# Altium PCB LimeSDR-X3_1v1.PcbDoc (part 6 of 25) (continued)
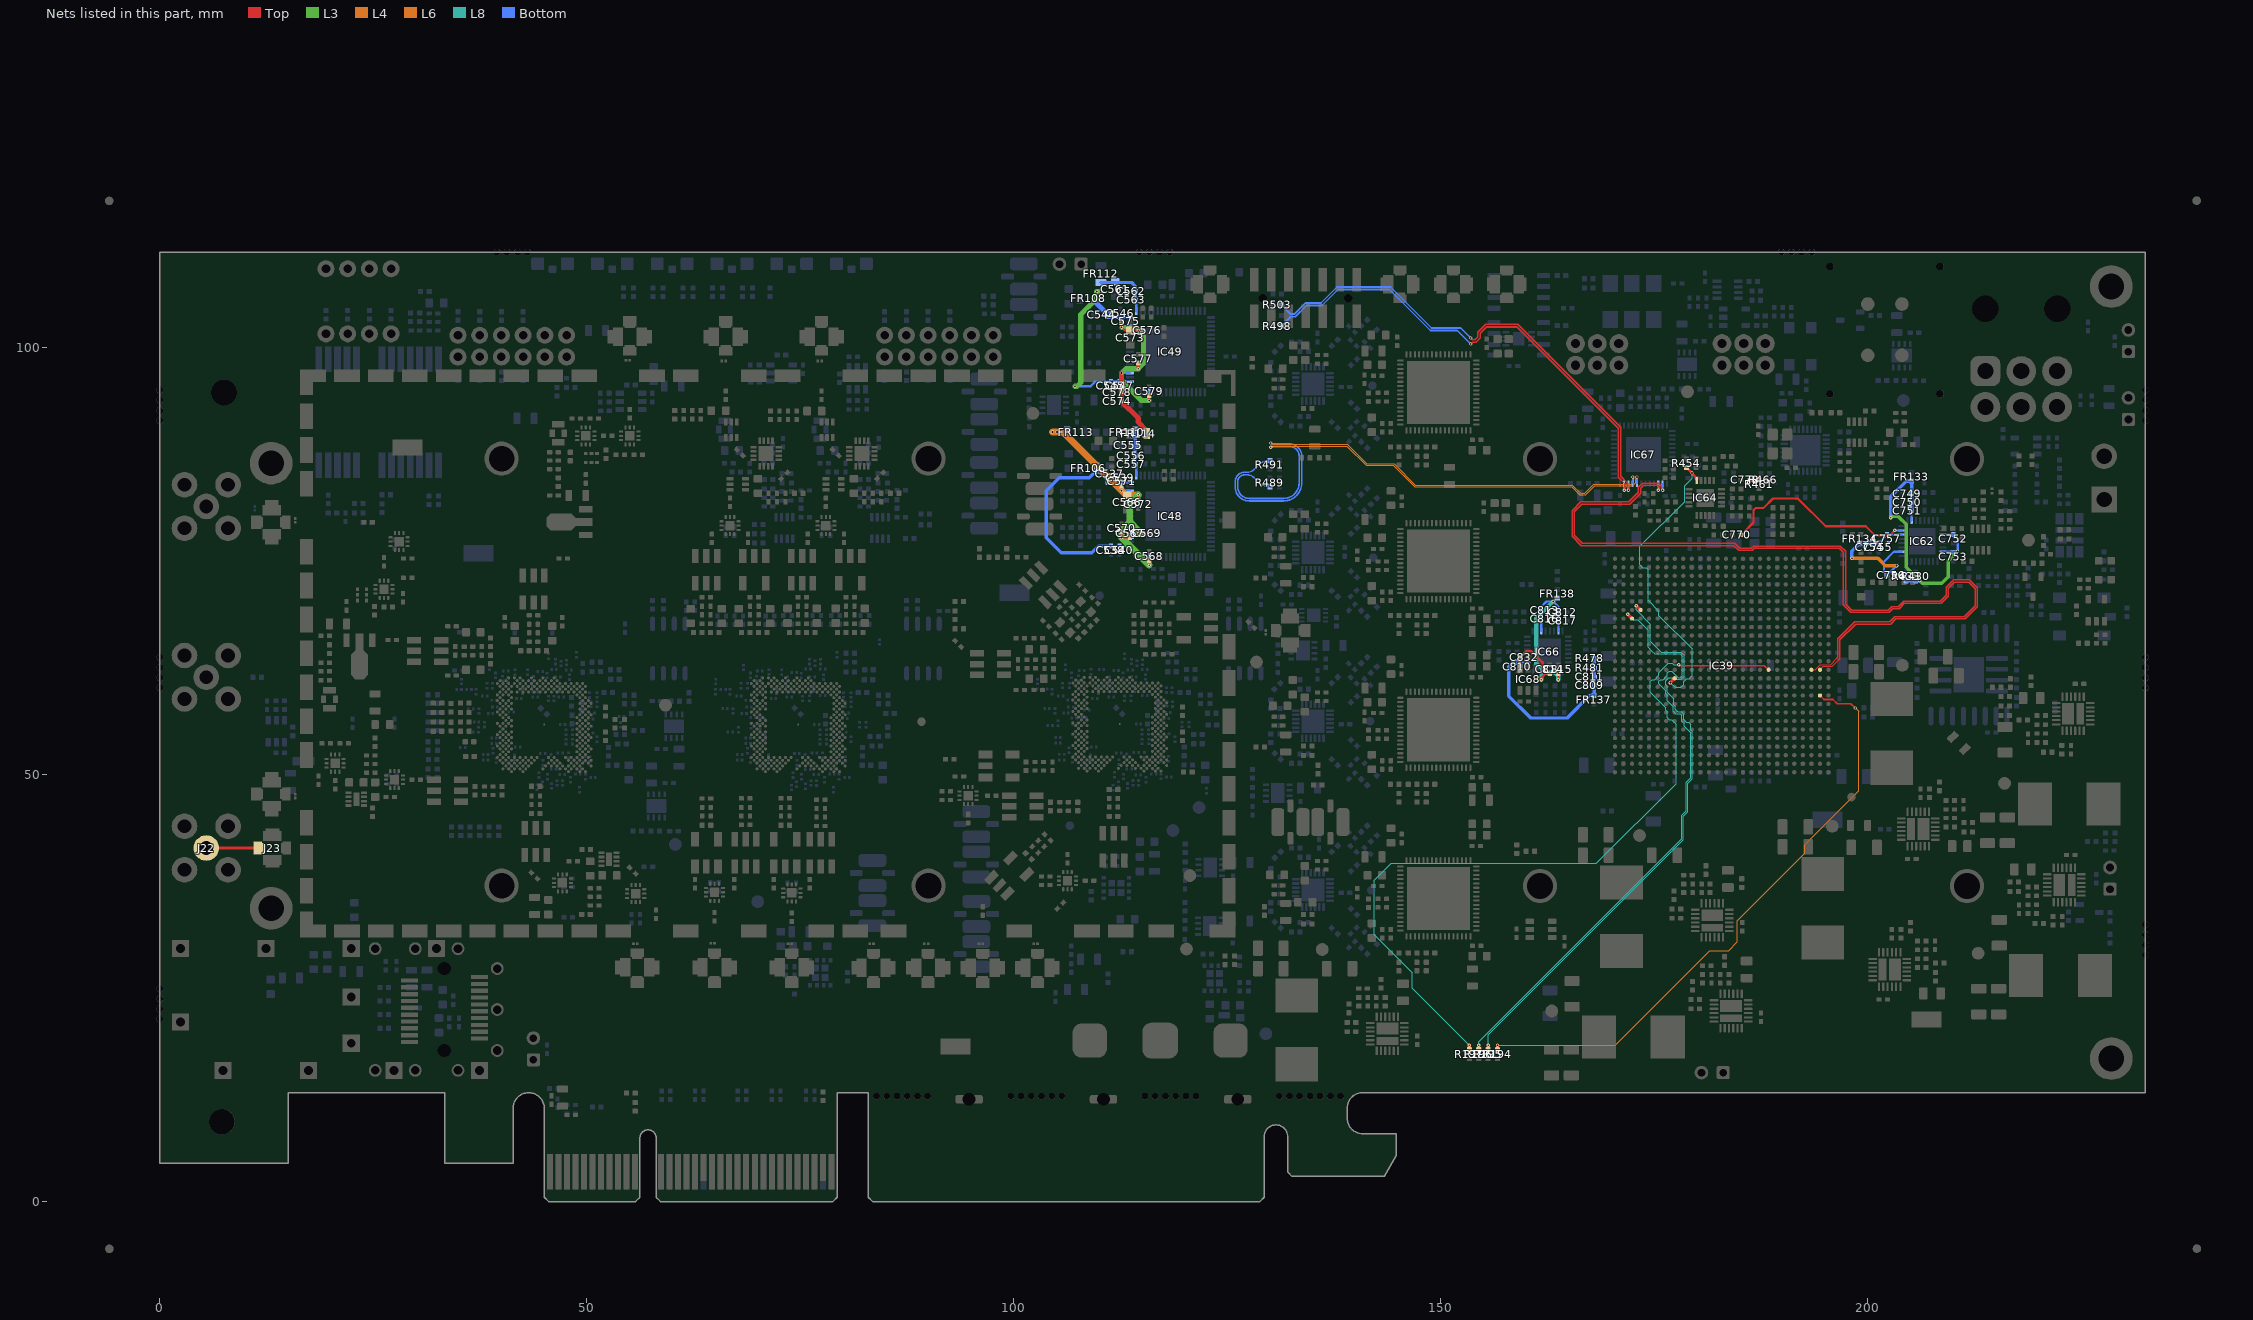
[diagram p16: the nets of this part, all layers, seen from the top]
## Part data (continued)
R525 R526 R527: library part Res_0402, Manufacturer="Panasonic Electronic Components", Manufacturer Part Number 1=ERJ-2RKF6652X, Operating Temperature="-55°C ~ 155°C", Package / Case="0402 (1005 Metric)", Power (Watts)="0.1W, 1/10W", Supplier Device Package=0402, Supplier Part Number 1=P66.5KLDKR-ND, Temperature Coefficient=±100ppm/°C, Tolerance=±1%, Category=Resistors, Composition="Thick Film", Features="Automotive AEC-Q200", Height="0.016\" (0.40mm)", Number of Terminations=2, Packaging=Digi-Reel®, Part Description="RES SMD 66.5K OHM 1% 1/10W 0402", Resistance (Ohms)=66.5k, RoHS="RoHS Compliant", Size / Dimension="0.039\" L x 0.020\" W (1.00mm x 0.50mm)", Supplier 1=Digi-Key
R532: library part Res_0402, Case/Package=SMD/SMT, Manufacturer=Vishay, Manufacturer Part Number 1=CRCW040220K0FKEDC, Max Operating Temperature=155°C, Min Operating Temperature=-55°C, Power Rating=62.5mW, Resistance=20kR, Supplier Part Number 1=541-3969-1-ND, Temperature Coefficient=100ppm/°C, Tolerance=1%, ComponentLink1Description=http://www.vishay.com/docs/28773/crcwce3.pdf?src-supplier=Digi-Key, ComponentLink1URL=http://www.vishay.com/docs/28773/crcwce3.pdf?src-supplier=Digi-Key, Composition="Thick Film", Contact Plating=Tin, Lead Free="Lead Free", Length=1mm, Mount="Surface Mount", Part Description="20 kOhms ±1% 0.063W, 1/16W Chip Resistor 0402 (1005 Metric)  Thick Film", Pricing 1="1=0.1, 10=0.032, 100=0.013, 1000=0.00583, 2500=0.00506, 5000=0.00418 (USD)", Stock 1=554825, Supplier 1=Digi-Key, Termination=Wraparound
R533: library part Res_0402, Manufacturer="Panasonic Electronic Components", Manufacturer Part Number 1=ERJ-2RKF4752X, Operating Temperature="-55°C ~ 155°C", Package / Case="0402 (1005 Metric)", Power (Watts)="0.1W, 1/10W", Resistance (Ohms)=47.5k, Supplier Device Package=0402, Supplier Part Number 1=P47.5KLCT-ND, Temperature Coefficient=±100ppm/°C, Tolerance=±1%, Category=Resistors, Composition="Thick Film", Features="Automotive AEC-Q200", Height="0.016\" (0.40mm)", Number of Terminations=2, Packaging="Cut Tape (CT)", Part Description="RES SMD 47.5K OHM 1% 1/10W 0402", RoHS="RoHS Compliant", Size / Dimension="0.039\" L x 0.020\" W (1.00mm x 0.50mm)", Supplier 1=Digi-Key
R537 R538 R539 R550: library part Res_0402, Case/Package=0402, Case Code (Metric)=1005, Manufacturer=Vishay, Manufacturer Part Number 1=CRCW0402100KFKEDC, Max Operating Temperature=155°C, Max Power Dissipation=63mW, Min Operating Temperature=-55°C, Resistance=100kR, Supplier Part Number 1=541-3960-1-ND, Temperature Coefficient=100ppm/°C, Tolerance=1%, Case Code (Imperial)=0402, ComponentLink1Description=http://www.vishay.com/docs/28773/crcwce3.pdf?src-supplier=Digi-Key, ComponentLink1URL=http://www.vishay.com/docs/28773/crcwce3.pdf?src-supplier=Digi-Key, Lead Free="Lead Free", Number of Terminations=2, Packaging="Cut Tape", Part Description="100 kOhms ±1% 0.063W, 1/16W Chip Resistor 0402 (1005 Metric) Thick Film", Pricing 1="1=0,1, 10=0,029, 50=0,0162, 100=0,0119, 500=0,00728, 1000=0,00535, 5000=0,00384 (USD)", RoHS=Yes, RoHS Compliant=Yes, Series=CRCW-C, Stock 1=1751702, Supplier 1=Digi-Key
R541: library part Res_0402, Manufacturer=Yageo, Manufacturer Part Number 1=RC0402FR-0715KL, Operating Temperature="-55°C ~ 155°C", Package / Case="0402 (1005 Metric)", Power (Watts)="0.063W, 1/16W", Resistance (Ohms)=15k, Supplier Device Package=0402, Supplier Part Number 1=311-15.0KLRCT-ND, Temperature Coefficient=±100ppm/°C, Tolerance=±1%, Category=Resistors, Composition="Thick Film", Failure Rate=-, Features="Moisture Resistant", Height - Seated (Max)="0.016\" (0.40mm)", Number of Terminations=2, Packaging="Cut Tape (CT)", Part Description="RES SMD 15K OHM 1% 1/16W 0402", Part Status=Active, RoHS="RoHS Compliant", Size / Dimension="0.039\" L x 0.020\" W (1.00mm x 0.50mm)", Supplier 1=Digi-Key
R542: library part Res_0402, Manufacturer="Stackpole Electronics Inc.", Manufacturer Part Number 1=RMCF0402FT2K21, Operating Temperature="-55°C ~ 155°C", Package / Case="0402 (1005 Metric)", Power (Watts)="0.063W, 1/16W", Resistance (Ohms)=2.21k, Supplier Device Package=0402, Supplier Part Number 1=RMCF0402FT2K21CT-ND, Temperature Coefficient=±100ppm/°C, Tolerance=±1%, Category=Resistors, Composition="Thick Film", Features="Automotive AEC-Q200", Height="0.016\" (0.40mm)", Number of Terminations=2, Packaging="Cut Tape (CT)", Part Description="RES SMD 2.21K OHM 1% 1/16W 0402", RoHS="RoHS Compliant", Size / Dimension="0.039\" L x 0.020\" W (1.00mm x 0.50mm)", Supplier 1=Digi-Key
R543: library part Res_0402, Case/Package=SMD/SMT, Manufacturer=Vishay, Manufacturer Part Number 1=CRCW040247K0FKEDC, Max Operating Temperature=155°C, Min Operating Temperature=-55°C, Power Rating=62.5mW, Resistance=47kR, Supplier Part Number 1=541-3966-1-ND, Temperature Coefficient=100ppm/°C, Tolerance=1%, ComponentLink1Description=http://www.vishay.com/docs/28773/crcwce3.pdf?src-supplier=Digi-Key, ComponentLink1URL=http://www.vishay.com/docs/28773/crcwce3.pdf?src-supplier=Digi-Key, Composition="Thick Film", Contact Plating=Tin, Lead Free="Lead Free", Length=1mm, Mount="Surface Mount", Part Description="47 kOhms ±1% 0.063W, 1/16W Chip Resistor 0402 (1005 Metric)  Thick Film", Pricing 1="1=0.1, 10=0.032, 100=0.013, 1000=0.00583, 2500=0.00506, 5000=0.00418 (USD)", Stock 1=799741, Supplier 1=Digi-Key, Termination=Wraparound
R554 R556 R558: library part Res_0402, Case/Package=0402, Case Code (Metric)=1005, Manufacturer="Stackpole Electronics", Manufacturer Part Number 1=RMCF0402FT80K6, Max Operating Temperature=155°C, Max Power Dissipation=63mW, Min Operating Temperature=-55°C, Resistance=80.6kR, Resistor Type="Thick Film", Supplier Part Number 1=RMCF0402FT80K6CT-ND, Temperature Coefficient=100ppm/°C, Tolerance=1%, Case Code (Imperial)=0402, ComponentLink1Description=https://www.seielect.com/catalog/SEI-Packaging.pdf?src-supplier=Digi-Key, ComponentLink1URL=https://www.seielect.com/catalog/SEI-Packaging.pdf?src-supplier=Digi-Key, ComponentLink2Description=https://www.seielect.com/catalog/SEI-RMCF_RMCP.pdf?src-supplier=Avnet, ComponentLink2URL=https://www.seielect.com/catalog/SEI-RMCF_RMCP.pdf?src-supplier=Avnet, ComponentLink3Description=https://www.seielect.com/Catalog/SEI-RMCF_RMCP.pdf?src-supplier=Digi-Key, ComponentLink3URL=https://www.seielect.com/Catalog/SEI-RMCF_RMCP.pdf?src-supplier=Digi-Key, Contact Plating=Tin,Matte, Features="Automotive AEC-Q200", Height=0.016inch, Lead Free="Lead Free", Length=0.039inch, Mount="Surface Mount", Number of Terminations=2, Packaging="Tape and Reel", Part Description="80.6 kOhms ±1% 0.063W, 1/16W Chip Resistor 0402 (1005 Metric) Automotive AEC-Q200 Thick Film", Pricing 1="1=0,10000, 10=0,01300, 100=0,00550, 1000=0,00246, 2500=0,00213, 5000=0,00176 (USD)", Radiation Hardening=No, RoHS=Yes, RoHS Compliant=Yes, Series=RMCF, Stock 1=329079, Supplier 1=Digi-Key, Width=0.02inch
R559 R560 R561: library part Res_0402, Case/Package=0402, Case Code (Metric)=1005, Manufacturer=Yageo, Manufacturer Part Number 1=RC0402FR-0740K2L, Max Operating Temperature=155°C, Max Power Dissipation=63mW, Min Operating Temperature=-55°C, Package Quantity=1, Power Rating=62.5mW, Resistance=40.2kR, Resistor Type="Thick Film", Supplier Part Number 1=311-40.2KLRCT-ND, Temperature Coefficient=100ppm/°C, Tolerance=1%, Voltage Rating=50V, Case Code (Imperial)=0402, ComponentLink1Description=https://datasheet.ciiva.com/2453/pyu-r-int-thick-7-2453437.pdf?src-supplier=Digi-Key, ComponentLink1URL=https://datasheet.ciiva.com/2453/pyu-r-int-thick-7-2453437.pdf?src-supplier=Digi-Key, ComponentLink2Description=https://datasheet.ciiva.com/2453/pyu-r-int-thick-7-2453438.pdf?src-supplier=Digi-Key, ComponentLink2URL=https://datasheet.ciiva.com/2453/pyu-r-int-thick-7-2453438.pdf?src-supplier=Digi-Key, ComponentLink3Description=https://datasheet.ciiva.com/2453/pyu-r-int-thick-7-2453436.pdf?src-supplier=Digi-Key, ComponentLink3URL=https://datasheet.ciiva.com/2453/pyu-r-int-thick-7-2453436.pdf?src-supplier=Digi-Key, ComponentLink4Description=https://datasheet.ciiva.com/5557/pyu-rc0402-51-rohs-l-6-r-5557981.pdf?src-supplier=Mouser, ComponentLink4URL=https://datasheet.ciiva.com/5557/pyu-rc0402-51-rohs-l-6-r-5557981.pdf?src-supplier=Mouser, ComponentLink5Description=https://datasheet.ciiva.com/8889/pyu-rc0402-51-rohs-l-6-8889263.pdf?src-supplier=Avnet, ComponentLink5URL=https://datasheet.ciiva.com/8889/pyu-rc0402-51-rohs-l-6-8889263.pdf?src-supplier=Avnet, ComponentLink6Description=https://datasheet.ciiva.com/16744/pyu-rc0402-51-rohs-l-6-r-16744286.pdf?src-supplier=Future+Electronics, ComponentLink6URL=https://datasheet.ciiva.com/16744/pyu-rc0402-51-rohs-l-6-r-16744286.pdf?src-supplier=Future+Electronics, Construction=Rectangular, Contact Plating=Tin,Matte, Depth=0.5mm, Features="Moisture Resistant", Height=0.016inch, Lead Free="Lead Free", Length=0.039inch, Military Standard=Not, Number of Terminations=2, Packaging="Tape and Reel", Part Description="40.2 kOhms ±1% 0.063W, 1/16W Chip Resistor 0402 (1005 Metric) Moisture Resistant Thick Film", Pricing 1="1=0,10000, 10=0,01500, 100=0,00600, 1000=0,00267, 2500=0,00232, 5000=0,00192 (USD)", RoHS=Yes, RoHS Compliant=Yes, Series=RC, Size Code=0402, Stock 1=2895359, Supplier 1=Digi-Key, Termination=SMD/SMT, Voltage Rating (DC)=50V, Width=0.02inch
R562 R563 R564: library part Res_0402, Manufacturer=Yageo, Manufacturer Part Number 1=RC0402FR-07750RL, Operating Temperature="-55°C ~ 155°C", Package / Case="0402 (1005 Metric)", Power (Watts)="0.063W, 1/16W", Resistance (Ohms)=750, Supplier Device Package=0402, Supplier Part Number 1=311-750LRCT-ND, Temperature Coefficient=±100ppm/°C, Tolerance=±1%, Category=Resistors, Composition="Thick Film", Features="Moisture Resistant", Height="0.016\" (0.40mm)", Number of Terminations=2, Packaging="Cut Tape (CT)", Part Description="RES SMD 750 OHM 1% 1/16W 0402", RoHS="RoHS Compliant", Size / Dimension="0.039\" L x 0.020\" W (1.00mm x 0.50mm)", Supplier 1=Digi-Key
R578: library part Res_0402, Manufacturer="Stackpole Electronics Inc", Manufacturer Part Number 1=RMCF0402FT806R, Operating Temperature="-55°C ~ 155°C", Package / Case="0402 (1005 Metric)", Power (Watts)="0.063W, 1/16W", Resistance (Ohms)=806, Supplier Device Package=0402, Supplier Part Number 1=RMCF0402FT806RCT-ND, Temperature Coefficient=±100ppm/°C, Tolerance=±1%, Category=Resistors, Composition="Thick Film", Features=-, Height="0.016\" (0.40mm)", Number of Terminations=2, Packaging="Cut Tape (CT)", Part Description=RMCF0402FT806RCT-ND, RoHS="RoHS Compliant", Size / Dimension="0.039\" L x 0.020\" W (1.00mm x 0.50mm)", Supplier 1=Digi-Key
R579: library part Res_0402, Case/Package=0402, Case Code (Metric)=1005, Manufacturer=Yageo, Manufacturer Part Number 1=RC0402FR-07470RL, Max Operating Temperature=155°C, Max Power Dissipation=63mW, Min Operating Temperature=-55°C, Package Quantity=1, Power Rating=62.5mW, Resistance=470R, Resistance Tolerance=1%, Resistor Type="Thick Film", Supplier Part Number 1=311-470LRCT-ND, Temperature Coefficient=100ppm/°C, Voltage Rating=50V, Case Code (Imperial)=0402, Construction=Rectangular, Depth=0.5mm, Features="Moisture Resistant", Height=0.016inch, Lead Free="Lead Free", Length=1mm, Military Standard=Not, Number of Terminations=2, Packaging="Tape and Reel", Part Description="470 Ohms ±1% 0.063W, 1/16W Chip Resistor 0402 (1005 Metric) Moisture Resistant Thick Film", Pricing 1="1=0,10000, 10=0,01600, 100=0,00660, 1000=0,00299, 2500=0,00259, 5000=0,00214 (USD)", REACH SVHC=Unknown, RoHS=Yes, RoHS Compliant=Yes, Series=RC, Size Code=0402, Stock 1=1652476, Supplier 1=Digi-Key, Termination=SMD/SMT, Tolerance=1%, Width=0.02inch
R583: library part Res_0402, Manufacturer=Yageo, Manufacturer Part Number 1=RC0402FR-071K6L, Operating Temperature="-55°C ~ 155°C", Package / Case="0402 (1005 Metric)", Power (Watts)="0.063W, 1/16W", Supplier Device Package=0402, Supplier Part Number 1=YAG3045CT-ND, Temperature Coefficient=±100ppm/°C, Tolerance=±1%, Category=Resistors, Composition="Thick Film", Failure Rate=-, Features="Moisture Resistant", Height - Seated (Max)="0.016\" (0.40mm)", Packaging="Cut Tape (CT)", Part Description="1.6 kOhms ±1% 0.063W, 1/16W Chip Resistor 0402 (1005 Metric) Moisture Resistant Thick Film", Part Status=Active, RoHS="RoHS Compliant", Size / Dimension="0.039\" L x 0.020\" W (1.00mm x 0.50mm)", Supplier 1=Digi-Key
R585: library part Res_0402, Manufacturer=Yageo, Manufacturer Part Number 1=RC0402FR-07510RL, Operating Temperature="-55°C ~ 155°C", Package / Case="0402 (1005 Metric)", Power (Watts)="0.063W, 1/16W", Supplier Device Package=0402, Supplier Part Number 1=311-510LRCT-ND, Temperature Coefficient=±100ppm/°C, Tolerance=±1%, Category=Resistors, Composition="Thick Film", Failure Rate=-, Features="Moisture Resistant", Height - Seated (Max)="0.016\" (0.40mm)", Packaging="Cut Tape (CT)", Part Description="510 Ohms ±1% 0.063W, 1/16W Chip Resistor 0402 (1005 Metric) Moisture Resistant Thick Film", Part Status=Active, RoHS="RoHS Compliant", Size / Dimension="0.039\" L x 0.020\" W (1.00mm x 0.50mm)", Supplier 1=Digi-Key
SW1: library part SW_SM_4bit_v2, Manufacturer="CUI Devices", Manufacturer Part Number 1=DS02C-254-1L-04BE, Supplier Part Number 1=2223-DS02C-254-1L-04BE-ND, Part Description="Dip Switch SPST Position Through Hole, Right Angle Piano Actuator 25mA 24VDC", Pricing 1="1=0,60000, 10=0,58100, 25=0,55920, 100=0,48400, 250=0,44100, 500=0,40874, 1000=0,36572, 2500=0,34636, 5000=0,32054 (USD)", RoHS=Yes, Stock 1=1133, Supplier 1=Digi-Key
T1 T2 T7 T8 T9 T10 T11 T12 T13 T14 T16 T17: library part Balun_v2, Manufacturer=Mini-circuits, Manufacturer Part Number 1=TCM1-63AX+, Part Description="BALUN WIDE BAND", Supplier 1=Mini-circuits, Supplier Part Number 1=TCM1-63AX+
T3 T4 T5 T6 T15 T18 T19: library part TC1-1-13M+, Manufacturer=Minicircuits, Manufacturer Part Number 1=TC1-1-13M-45+, Part Description="RF balun; 1:1 ratio; 3 dB bandwidth: 0.3 MHz to 3.5 GHz; 3.8mm x 3.8mm", Supplier 1=Minicircuits, Supplier Part Number 1=TC1-1-13M-45+
TP1 TP2 TP3 TP4 TP5 TP6: "Test Point PCB mount Miniature White", Color=Natural, Manufacturer="Harwin Inc", Manufacturer Part Number 1=S1751-46R, Supplier Part Number 1=952-1478-2-ND, Category="Test and Measurement", Material="Copper Alloy", Mounting Type="Surface Mount", Packaging="Tape & Reel (TR)", Part Description="Natural PC Test Point 0.128\" x 0.065\" x 0.079\" (3.25mm x 1.65mm x 2.00mm) Brass, Tin Plating Surface Mount Mounting Type", RoHS="RoHS Compliant", Supplier 1=Digi-Key, Terminal="0.128\" x 0.065\" x 0.079\" (3.25mm x 1.65mm x 2.00mm) Brass, Tin Plated", Type="PC Test Point"
TP7 TP8 TP9 TP10 TP11 TP12 TP13 TP14 TP15 TP16 TP17 TP18 TP19 TP20 TP21 TP22 TP23 TP24 TP25 TP26: "Test Point PCB mount Miniature White"
VT1 VT2: library part NDS331N, "NDS331N", Current - Continuous Drain (Id) @ 25°C="1.6A (Ta)", Drive Voltage (Max Rds On,  Min Rds On)="4.5V, 10V", Manufacturer="Diodes Incorporated", Manufacturer Part Number=DMN6140L-13, Operating Temperature="-55°C ~ 150°C (TJ)", Package / Case="TO-236-3, SC-59, SOT-23-3", Power Dissipation (Max)="700mW (Ta)", Supplier Device Package=SOT-23, Supplier Part Number 1=DMN6140L-13DICT-ND, Category="Discrete Semiconductor Products", FET Feature=-, FET Type=N-Channel, Manufacturer Part Number 1=DMN6140L-13, Mounting Type="Surface Mount", Packaging="Cut Tape (CT)", Part Description="N-Channel 60V 1.6A (Ta) 700mW (Ta) Surface Mount SOT-23", Part Status=Active, Rds On (Max) @ Id, Vgs="140 mOhm @ 1.8A, 10V", RoHS="RoHS Compliant", Supplier 1=Digi-Key, Technology="MOSFET (Metal Oxide)", Vgs (Max)=±20V, Vgs(th) (Max) @ Id="3V @ 250µA"
XO1: library part "Oscillator XTCLH25M000CHJB0P0", Manufacturer=Murata, Supplier Part Number 1=490-XTCLH25M000CHJB0P0CT-ND, Manufacturer Part Number 1=XTCLH25M000CHJB0P0, Part Description="XTAL OSC VCTCXO 25.0000MHZ CMOS", Pricing 1="1=10,11000, 10=9,48000, 50=9,16400, 100=8,84800, 500=8,53200, 1000=7,90000 (USD)", Stock 1=1960, Supplier 1=Digi-Key
XO2: library part "Oscillator ASVV-20.000MHZ-N152-T", Case/Package=SMD/SMT, Frequency=20MHz, Frequency Stability=50ppm, Load Capacitance=30pF, Manufacturer=Abracon, Max Operating Temperature=70°C, Max Supply Current=15mA, Max Supply Voltage=3.465V, Min Operating Temperature=0°C, Min Supply Voltage=3.135V, Operating Supply Voltage=3.3V, Package Quantity=1000, Supplier Part Number 1=535-9344-1-ND, ComponentLink1Description=https://datasheet.ciiva.com/867/asvv-867044.pdf?src-supplier=Digi-Key, ComponentLink1URL=https://datasheet.ciiva.com/867/asvv-867044.pdf?src-supplier=Digi-Key, ComponentLink2Description=https://datasheet.ciiva.com/867/asvv-867045.pdf?src-supplier=Digi-Key, ComponentLink2URL=https://datasheet.ciiva.com/867/asvv-867045.pdf?src-supplier=Digi-Key, ComponentLink3Description=https://datasheet.ciiva.com/867/asvv-867046.pdf?src-supplier=Digi-Key, ComponentLink3URL=https://datasheet.ciiva.com/867/asvv-867046.pdf?src-supplier=Digi-Key, Depth=5mm, Height=0.079inch, Lead Free="Lead Free", Length=0.276inch, Manufacturer Part Number 1=ASVV-20.000MHZ-N152-T, Max Duty Cycle=60%, Mount="Surface Mount", Number of Pins=6, Packaging="Tape and Reel", Part Description="XTAL OSC VCXO 20.0000MHZ CMOS", Pricing 1="1=4,74000, 10=4,49300, 50=4,24320, 100=3,99360, 500=3,86880 (USD)", Radiation Hardening=No, RoHS=Yes, RoHS Compliant=No, Series=ASVV, Stock 1=1109, Supplier 1=Digi-Key, Termination=SMD/SMT, Width=0.197inch
XO3: library part AOCJYR-10.000MHz, Frequency Nom, MHz=30.72, Frequency Stability +/-, ppb=20, Manufacturer=Rakon, Oscillator Case="SMD, 9.7mm x 7.5", Supplier Part Number 1=U7475LF, Supply Voltage Nom=3.3, Manufacturer Part Number 1="U7475LF 30.72MHz", Oscillator Output Compatibility=CMOS, Part Description="ROM9070SA 30.72MHz MERC+ 9x7 HOT RC2.5 3.3V PULL", Supplier 1=Rakon
XO4: library part RPT7050A, Manufacturer=Rakon, Manufacturer Part Number 1=E6245LF, Assembly Info=NF, Part Description="TCXO 30.72MHz, E6245LF", Supplier 1=Rakon, Supplier Part Number 1=E6245LF
XO5: library part TXCO, Manufacturer=Rakon, Manufacturer Part Number 1=E5280LF, Assembly Info=NF, Part Description="TCXO 30.72MHz, E5280LF", Supplier 1=Rakon, Supplier Part Number 1=E5280LF
XO6: library part Rakon_RTX5032A, Manufacturer=Rakon, Manufacturer Part Number 1=RTX5032A, Assembly Info=NF, Part Description="RTX5032A 40MHz, High performance TCXO, With VC, Filter Enabled, 10-pin 5mm x 3.2 mm x 1.65 mm package", Supplier 1=RAKON, Supplier Part Number 1=RTX5032A
XO7: library part ASVTX-12-A-38.400MHZ-H10-T_CRYSTAL, "Oscillator Crystal", Case/Package=SMD/SMT, Frequency=38.4MHz, Frequency Stability=1ppm, Manufacturer=Abracon, Manufacturer Part Number 1=ASVTX-12-A-38.400MHZ-H10-T, Max Operating Temperature=85°C, Max Supply Current=2.5mA, Min Operating Temperature=-30°C, Operating Supply Voltage=3V, Package Quantity=1000, Supplier Part Number 1=535-11790-1-ND, Assembly Info=NF, ComponentLink1Description=https://datasheet.ciiva.com/5466/astx12-asvtx12-8609-5466673.pdf?src-supplier=Mouser, ComponentLink1URL=https://datasheet.ciiva.com/5466/astx12-asvtx12-8609-5466673.pdf?src-supplier=Mouser, ComponentLink2Description=https://datasheet.ciiva.com/867/astx12-asvtx12-867453.pdf?src-supplier=Digi-Key, ComponentLink2URL=https://datasheet.ciiva.com/867/astx12-asvtx12-867453.pdf?src-supplier=Digi-Key, ComponentLink3Description=https://datasheet.ciiva.com/867/astx12-asvtx12-867454.pdf?src-supplier=Digi-Key, ComponentLink3URL=https://datasheet.ciiva.com/867/astx12-asvtx12-867454.pdf?src-supplier=Digi-Key, ComponentLink4Description=https://datasheet.ciiva.com/867/astx12-asvtx12-867455.pdf?src-supplier=Digi-Key, ComponentLink4URL=https://datasheet.ciiva.com/867/astx12-asvtx12-867455.pdf?src-supplier=Digi-Key, Height=0.035inch, Length=0.098inch, Mount="Surface Mount", Packaging="Tape and Reel", Part Description="38.4MHz VCTCXO Clipped Sine Wave Oscillator 3V  4-SMD, No Lead", Pricing 1="1 = 3,58000, 10 = 3,41000, 50 = 3,23960, 100 = 2,89850, 500 = 2,72800 (USD)", RoHS=Yes, Stock 1=1680, Supplier 1=Digi-Key, Termination=SMD/SMT, Width=0.079inch
XO8: library part CRYSTAL_SG3225, "Oscillator Crystal", Case/Package=SMD/SMT, Frequency=100MHz, Frequency Stability=30ppm, Manufacturer=Epson, Manufacturer Part Number 1=SG3225VAN100.000000M-KEGA3, Max Operating Temperature=85°C, Max Supply Current=30mA, Min Operating Temperature=-40°C, Supplier Part Number 1=SER4356CT-ND, Height=0.047inch, Length=0.126inch, Mount="Surface Mount", Packaging="Tape and Reel", Part Description="100MHz XO (Standard) LVDS Oscillator 2.5V ~ 3.3V Enable/Disable 6-SMD, No Lead", Pricing 1="1=2.29, 10=2.241, 50=2.134, 100=1.8673 (USD)", Stock 1=1219, Supplier 1=Digi-Key, Width=0.098inch
XT1: library part CRYSTAL_19M2, "Oscillator Crystal 25 MHz", Manufacturer=ABRACON, Manufacturer Part Number 1=ABM8-25.000MHZ-B2-T, Supplier Part Number 1=13J1767, Part Description="25MHz ±20ppm Crystal 18pF 50 Ohm -20°C ~ 70°C Surface Mount 4-SMD, No Lead (DFN, LCC)", Supplier 1=Newark

## Free pads (board coordinates)
  round 0.8 hole 0.8 unplated: 0(-0.025,21.375) 0(-0.025,22.55) 0(-0.025,23.75) 0(-0.025,24.95) 0(-0.025,91.45) 0(-0.025,92.65) 0(-0.025,93.85) 0(-0.025,95.025) 0(0,60.163) 0(0,61.338) 0(0,62.538) 0(0,63.738) 0(39.475,111.175) 0(40.65,111.175) 0(41.85,111.175) 0(43.05,111.175) 0(83.9,12.35) 0(85.1,12.35) 0(86.3,12.35) 0(87.5,12.35) 0(88.7,12.35) 0(89.875,12.35) 0(99.625,12.35) 0(100.825,12.35) 0(102.025,12.35) 0(103.225,12.35) 0(104.425,12.35) 0(105.6,12.35) 0(114.675,111.175) 0(115.35,12.35) 0(115.85,111.175) 0(116.55,12.35) 0(117.05,111.175) 0(117.75,12.35) 0(118.25,111.175) 0(118.95,12.35) 0(120.15,12.35) 0(121.325,12.35) 0(131.075,12.35) 0(132.25,12.35) 0(133.45,12.35) 0(134.65,12.35) 0(135.85,12.35) 0(137.05,12.35) 0(138.25,12.35) 0(189.85,111.175) 0(191.025,111.175) 0(192.225,111.175) 0(193.425,111.175) 0(232.475,60.162) 0(232.475,61.337) 0(232.475,62.538) 0(232.475,63.738) 0(232.5,91.45) 0(232.5,92.65) 0(232.5,93.85) 0(232.5,95.025) 0(232.5,28.875) 0(232.5,30.05) 0(232.5,31.25) 0(232.5,32.45)
  rect 1.5x3 smd paste-3 mask+0.05: 0(17.175,84.044) 0(17.175,88.013) 0(17.175,91.981) 0(17.175,68.169) 0(17.175,72.138) 0(17.175,76.106) 0(17.175,95.95) 0(17.175,32.45) 0(17.175,36.419) 0(17.175,40.388) 0(17.175,44.356) 0(17.175,52.294) 0(17.175,56.263) 0(17.175,60.231) 0(17.175,64.2) 0(125.175,32.45) 0(125.175,36.419) 0(125.175,40.388) 0(125.175,44.356) 0(125.175,48.325) 0(125.175,52.294) 0(125.175,56.262) 0(125.175,60.731) 0(125.175,64.95) 0(125.175,75.606) 0(125.175,88.012) 0(125.175,91.981)
  rect 3x1.5 smd paste-3 mask+0.05: 0(17.925,96.7) 0(17.925,31.7) 0(21.894,96.7) 0(21.894,31.7) 0(25.862,96.7) 0(25.862,31.7) 0(29.831,96.7) 0(29.831,31.7) 0(33.8,96.7) 0(33.8,31.7) 0(37.769,96.7) 0(37.769,31.7) 0(41.737,96.7) 0(41.737,31.7) 0(45.706,96.7) 0(45.706,31.7) 0(49.675,96.7) 0(49.675,31.7) 0(53.644,31.7) 0(57.612,96.7) 0(61.581,96.7) 0(61.581,31.7) 0(69.519,96.7) 0(69.519,31.7) 0(73.487,96.7) 0(77.456,31.7) 0(81.425,96.7) 0(81.425,31.7) 0(85.394,96.7) 0(85.894,31.7) 0(89.362,96.7) 0(93.331,96.7) 0(97.3,96.7) 0(100.612,31.7) 0(101.269,96.7) 0(105.237,96.7) 0(108.55,31.7) 0(109.206,96.7) 0(112.519,31.7) 0(117.237,31.7) 0(124.425,31.7)
  rrect50% 3.2x1 hole 1.5 slot 8 at 0 deg unplated mask+0.05: 0(94.75,11.975) 0(110.475,11.975) 0(126.2,11.975)
  rect 2x1.5 smd paste-3 mask+0.05: 0(123.275,96.6)
  rect 2x0.5 smd paste-3 mask+0.05: 0(124.925,97.1)
  rect 1.5x2 smd paste-3 mask+0.05: 0(125.175,79.825)
  rect 0.5x3 smd paste-3 mask+0.05: 0(125.675,95.85)
  round 3 hole 3 mask+0.05: 2(7.25,9.35) 3(7.5,94.75)

## Via types
v1: diameter 0.4, hole 0.2, Top to Bottom, tented both sides, 3063 vias
v2: diameter 0.35, hole 0.2, Top to Bottom, tented both sides, 272 vias
v3: diameter 0.5, hole 0.2, Top to Bottom, tented bottom, 196 vias
v4: diameter 0.5, hole 0.2, Top to Bottom, tented both sides, 102 vias
v5: diameter 0.8, hole 0.4, Top to Bottom, tented both sides, 13 vias

## Nets (pads, with @x,y where several pads share a name; then routed paths per layer and width w, separated by ;. In a path a pad name is that pad's centre, name@x,y a point inside that pad or via, vN(x,y) a via of type N, cw(c..) or ccw(c..) an arc to the next point about the centre after c; other vN are vias at no path point)
+1.8V_DIG_LMK2: C812.2 C813.2 C814.2 C815.2 C816.2 C817.2 C832.1 FR138.2 IC66.2 IC66.6 IC66.19 IC66.23 IC68.6 | length 31.2
  Top w0.25: v1(163.75,61.104) C815.2@163.75,61.854
  Top w0.3: C832.1@159.277,63.74 159.327,63.74 159.427,63.84 159.427,63.89 159.987,64.45 160.575,64.45 161.9,63.125 161.9,62.2 162.246,61.854 ; v1(161.75,61.104) 161.75,61.358 162.246,61.854 ; C814.2@162.75,61.854 162.246,61.854
  Top w0.4: IC68.6@159.25,62.45 159.25,63.713 C832.1@159.277,63.74
  L8 w0.5: v1(161.75,61.104) 161.75,61.575 162.175,62 ; v1(163.139,70.265) 161.175,68.301 161.175,63 162.175,62 ; v1(163.75,61.104) 163.75,61.475 163.225,62 162.175,62
  Bottom w0.25: v1(161.75,61.104) IC66.6@161.75,62 ; IC66.19@161.75,66.8 161.75,68.24 161.75,69.65 162.365,70.265 v1(163.139,70.265) 163.164,70.265 163.764,69.665 163.764,69.015 163.75,69.015 IC66.23@163.75,66.8 ; v1(163.75,61.104) IC66.2@163.75,62
+2.5V_DIG_LMK1: C754.2 C755.2 C756.2 C757.2 FR134.2 IC62.2 IC62.6 | length 19.3
  L6 w0.4: v1(198.125,75.325) 201.175,75.325 202.025,74.475 v1(203.35,74.475)
  Bottom w0.25: C755.2@201.35,76.925 201.225,77.05 C755.2@201.225,77.1 201.225,77.15 201.35,77.275 201.4,77.275 202.05,77.925 202.1,77.925 202.225,78.05 C757.2@202.225,78.1 IC62.6@203.975,78.1 ; v1(203.35,74.475) 202.4,73.525 202.4,73.475 202.275,73.35 C756.2@202.225,73.35 201.875,73.7 201.875,74.935 203.04,76.1 IC62.2@203.975,76.1
  Bottom w0.4: v1(198.125,75.325) 198.125,76.175 FR134.2@199.05,77.1 C754.2@200.209,77.1 C755.2@201.225,77.1
+3.3V_DIG_LMK1: C749.2 C750.2 C751.2 C752.2 C753.2 FR133.2 IC62.10 IC62.19 IC62.23 R430.2 R433.1 | length 33.8
  L3 w0.4: v1(202.663,80.062) 202.825,80.225 203.55,80.225 204.475,79.3 204.475,74.3 v1(206.075,72.7) 206.375,72.4 208.625,72.4 209.4,73.175 209.4,75.05 v1(210.483,76.133)
  Bottom w0.25: IC62.10@205.116,79.75 C751.2@205.116,80.9 ; IC62.23@208.775,76.1 210.45,76.1 v1(210.483,76.133) 210.516,76.166 210.516,77.6 210.016,78.1 IC62.19@208.775,78.1
  Bottom w0.4: v1(202.663,80.062) 202.663,82.563 204.475,84.375 FR133.2@205.1,84.375 ; R433.1@204.475,72.7 R430.2@205.575,72.7 v1(206.075,72.7) ; C751.2@205.116,80.9 C750.2@205.116,81.9 C749.2@205.116,82.9 FR133.2@205.116,84.375
+3.3V_DIG_LMK2: C809.2 C810.2 C811.2 FR137.2 IC66.10 R478.2 R481.1 | length 22.3
  Bottom w0.25: C810.2@158.954,63.15 IC66.10@160.1,63.15
  Bottom w0.4: C810.2@158.954,63.15 158.946,63.142 158.392,63.142 157.925,62.675 157.925,59.2 160.5,56.625 164.775,56.625 167.418,59.268 FR137.2@167.918,59.268 167.95,59.3 C809.2@167.95,60.45 C811.2@167.95,61.45 R481.1@167.95,62.5 R478.2@167.95,63.6
ADF_MUXOUT: IC39.M19 IC64.15 R454.1 | length 35.3
  Top w0.3: R454.1@178.75,85.95 179.95,84.75 IC64.15@179.95,84.45
  Top w0.4: v1(176.875,60.775) IC39.M19@177.375,61.275
  L8 w0.1: v1(176.875,60.775) 177.45,60.2 178.078,60.2 178.425,60.547 178.425,60.877 178.773,61.225 179.103,61.225 179.425,61.547 179.425,64.725 175.525,68.625 175.525,69.15 174.275,70.4 174.275,74.009 174.059,74.225 173.647,74.225 173.3,74.572 173.3,76.734 178.525,81.959 178.525,83.811 179.4,84.686 v1(179.4,85.325)
ADF_REF_IN: C778.1 R461.1 R466.2 | length 1.1
  Top w0.325: C778.1@186.15,84.5 R466.2@187.25,84.5
ADF_RF_IN: C770.2 IC62.7 | length 23.5
  Top w0.25: C770.2@185.15,78.075 185.2,78.075 185.325,78.2 185.325,78.25 186.6,79.525 186.6,80.975 186.826,81.201 187.749,81.201 188.874,82.325 191.8,82.325 195.05,79.075 199.75,79.075 200.8,78.025 202.566,78.025 v1(203.141,78.6)
  Bottom w0.25: v1(203.141,78.6) IC62.7@203.975,78.6
AVCLK_LMS2_BB_DAC1: C555.2 C556.2 C557.2 FR110.2 IC48.35 | length 5.1
  Bottom w0.3: C557.2@114.227,86.352 114.328,86.252 IC48.35@114.328,85.003
  Bottom w0.4: C557.2@114.227,86.352 C556.2@114.227,87.352 C555.2@114.227,88.552 FR110.2@114.227,90.102
AVCLK_LMS2_BB_DAC2: C561.2 C562.2 C563.2 FR112.2 IC49.35 | length 7.2
  Bottom w0.3: C563.2@114.228,105.627 114.328,105.527 IC49.35@114.328,104.278
  Bottom w0.4: FR112.2@110.175,107.625 113.775,107.625 114.227,107.173 C562.2@114.227,106.627 C563.2@114.228,105.627
AVDD1P8_LMS2_BB_DAC1: C537.2 C538.2 C539.2 C540.2 FR106.2 IC48.19 IC48.34 | length 28
  Bottom w0.3: FR106.2@109.702,85.652 FR106.2@109.702,85.877 ; C538.2@111.353,76.753 IC48.19@113.578,76.753 ; C539.2@112.453,84.253 IC48.34@113.578,84.253
  Bottom w0.4: FR106.2@109.702,85.652 108.825,84.775 105.3,84.775 103.775,83.25 103.775,77.75 105.55,75.975 109.125,75.975 109.902,76.752 C538.2@111.352,76.752 ; C537.2@111.202,84.377 111.327,84.252 C539.2@112.452,84.252
  Bottom w0.6: FR106.2@109.702,85.652 109.702,85.627 109.802,85.527 110.052,85.527 111.002,84.577 111.002,84.527 111.152,84.377 C537.2@111.202,84.377
AVDD1P8_LMS2_BB_DAC2: C544.2 C545.2 C546.2 C547.2 FR108.2 IC49.19 IC49.34 | length 25.3
  L3 w0.6: v1(107.143,95.475) 107.4,95.475 107.825,95.9 107.825,103.875 109.702,105.752 v1(109.702,106.573) ; v1@109.702,106.575 v1(110.2,106.575)
  Bottom w0.3: v1(107.143,95.475) 108.975,95.475 109.528,96.028 C545.2@111.353,96.028 ; C545.2@111.353,96.028 C547.2@112.366,96.028 IC49.19@113.578,96.028 ; C546.2@112.453,103.528 IC49.34@113.578,103.528
  Bottom w0.4: C544.2@111.202,103.652 111.327,103.527 C546.2@112.453,103.528
  Bottom w0.6: v1@109.702,106.448 FR108.2@109.702,105.752 109.702,105.152 111.002,103.852 111.002,103.802 111.152,103.652 C544.2@111.202,103.652
AVDD3P3_LMS2_BB_DAC1: C566.2 C567.2 C568.2 C569.2 C570.2 C571.2 C572.2 FR113.2 IC48.14 IC48.21 IC48.22 IC48.31 IC48.32 | length 34.6
  Top w0.254: C570.2@112.603,78.322 v1(112.603,77.753) C567.2@113.6,77.753 ; C571.2@112.603,83.822 v1(112.603,83.253) C566.2@113.103,82.753 ; v1(114.553,78.253) C569.2@115.122,78.253 ; C572.2@114.553,82.184 v1(114.553,82.753) ; v1(115.828,74.528) C568.2@115.828,75.097
  L3 w0.8: v1(114.553,78.253) 114.553,78.572 113.563,79.563 ; v1(114.553,82.753) 113.563,81.762 113.563,79.563 ; v1(115.828,74.528) v1(112.603,77.753) 112.603,78.603 113.563,79.563
  L4 w0.8: v1(104.507,90.125) 105.731,90.125 v1(112.603,83.253) 113.103,82.753 v1(114.553,82.753)
  Bottom w0.254: v1(112.603,77.753) IC48.21@113.578,77.753 ; v1(112.603,83.253) IC48.32@113.578,83.253 ; IC48.22@113.578,78.253 v1(114.553,78.253) ; IC48.31@113.578,82.753 v1(114.553,82.753) ; v1(115.828,74.528) IC48.14@115.828,75.503
  other v1: 105.05,90.125
AVDD3P3_LMS2_BB_DAC2: C573.2 C574.2 C575.2 C576.2 C577.2 C578.2 C579.2 FR114.2 IC49.14 IC49.21 IC49.22 IC49.31 IC49.32 | length 32
  Top w0.254: C575.2@112.603,103.097 v1(112.603,102.387) 112.963,102.028 v1(114.553,102.028) C576.2@115.122,102.028 ; v1(115.828,93.803) C579.2@115.828,94.372
  Top w0.4: v1(114.553,97.528) C577.2@114.553,98.097
  Top w0.6: v1(112.603,97.028) 112.603,93.697 114.55,91.75 114.55,91.275 115.549,90.275 FR114.2@115.549,89.925
  L3 w0.6: v1@112.675,102.35 114.231,102.35 v1(114.553,102.028) 115.153,101.428 115.153,98.128 v1(114.553,97.528) 113.103,97.528 v1(112.603,97.028) 112.603,96.147 114.947,93.803 v1(115.828,93.803)
  Bottom w0.25: v1(112.603,102.387) 112.644,102.387 112.784,102.528 IC49.32@113.578,102.528
  Bottom w0.254: v1(112.603,97.028) IC49.21@113.578,97.028 ; IC49.22@113.578,97.528 v1(114.553,97.528) ; IC49.31@113.578,102.028 v1(114.553,102.028) ; v1(115.828,93.803) IC49.14@115.828,94.778
BOM_VER0: IC39.K2 R194.1 | length 71.8
  Top w0.2: IC39.K2@194.375,59.275 194.85,58.8 195.9,58.8 196.4,58.3 198,58.3 v1(198.5,57.8)
  Top w0.4: R194.1@156.625,17.775 v1(156.625,18.3)
  L6 w0.1: v1(156.625,18.3) 170.4,18.3 181.5,29.4 183.692,29.4 184.7,30.408 184.7,32.9 192.6,40.8 192.6,41.8 198.9,48.1 198.9,57.4 v1(198.5,57.8)
BOM_VER1: IC39.Y23 R195.1 | length 70
  Top w0.4: R195.1@155.525,17.775 v1(155.525,18.3) ; v1(172.875,69.775) IC39.Y23@173.375,69.275
  L8 w0.1: v1(155.525,18.3) 155.525,19.533 178.375,42.383 178.375,45.1 178.9,45.625 178.9,49 179.425,49.525 179.425,55.025 179.225,55.225 179.225,55.92 179.02,56.125 178.75,56.125 178.45,56.425 178.45,57.06 178.16,57.35 177.725,57.35 177.425,57.65 177.425,58.025 177.25,58.2 177.25,58.895 176.525,59.62 176.525,60.3 176.325,60.5 176.325,61.003 176.647,61.325 177.367,61.325 177.542,61.15 178.133,61.15 178.475,61.492 178.475,63.953 178.103,64.325 175.82,64.325 174.525,65.62 174.525,67.625 172.875,69.275 v1(172.875,69.775)
BOM_VER2: IC39.W24 R196.1 | length 71.7
  Top w0.4: R196.1@154.425,17.775 v1(154.425,18.3) ; v1(171.875,68.775) IC39.W24@172.375,68.275
  L8 w0.1: v1(154.425,18.3) 154.425,18.716 178.175,42.466 178.175,45.225 178.7,45.75 178.7,49.083 179.225,49.608 179.225,54.925 178.475,55.675 178.475,56.025 178.225,56.275 178.225,56.93 178.03,57.125 177.5,57.125 177.225,57.4 177.225,57.93 176.73,58.425 176.525,58.63 176.525,59.275 176.309,59.491 176.309,59.846 175.525,60.63 175.525,60.92 175.73,61.125 176.02,61.125 176.525,61.63 176.525,61.92 176.73,62.125 177.02,62.125 177.795,61.35 178.05,61.35 178.275,61.575 178.275,63.87 178.02,64.125 175.03,64.125 174.64,64.515 174.25,64.905 174.25,66.895 173.02,68.125 172.525,68.125 v1(171.875,68.775)
BOM_VER3: IC39.N8 R197.1 | length 93.1
  Top w0.15: v1(177.85,62.875) 177.95,62.775 187.875,62.775 IC39.N8@188.375,62.275
  Top w0.4: R197.1@153.325,17.775 v1(153.325,18.3)
  L8 w0.1: v1(153.325,18.3) 146.642,24.983 146.642,26.791 142.2,31.233 142.2,37.642 144.183,39.625 168.203,39.625 177.525,48.947 177.525,55.903 177.003,56.425 176.73,56.425 176.525,56.63 176.525,57.339 176.32,57.545 176.32,57.835 174.525,59.63 174.525,60.92 174.73,61.125 175.025,61.125 175.525,61.625 175.525,61.92 176.63,63.025 177.1,63.025 177.25,62.875 v1(177.85,62.875)
BRACKET_SMA_TO_UFL: J22.1 J23.1 | length 6.1
  Top w0.325: J22.1@5.425,41.4 J23.1@11.468,41.4 J23.1@11.568,41.4
CDCM_LMS2_BB_DAC1_CLK_N: IC67.21 R491.1 | length 70.2
  L4 w0.1: v1(130.075,88.825) 130.134,88.825 130.284,88.675 139.033,88.675 141.308,86.4 144.508,86.4 147.008,83.9 165.4,83.9 166.35,82.95 166.867,82.95 167.917,84 172.35,84 172.6,84.25 172.6,84.637 172.45,84.787 v1(172.45,84.846)
  Bottom w0.2: R491.1@129.975,86.8 ccw(c129.975,84.895) 128.628,86.242 128.106,85.72 cw(c127.334,86.492) 127.334,85.4 127,85.4 ccw(c127,84.3) 125.9,84.3 125.9,83.7 ccw(c127.561,83.7) 127.561,82.039 131.564,82.039 ccw(c131.564,84.175) 133.7,84.175 133.7,87.275 ccw(c132.25,87.275) 132.25,88.725 130.175,88.725 v1(130.075,88.825) ; IC67.21@172.45,84.075 v1(172.45,84.846)
CDCM_LMS2_BB_DAC1_CLK_P: IC67.20 R489.1 | length 68.7
  L4 w0.1: v1(130.075,88.325) 130.134,88.325 130.284,88.475 138.95,88.475 141.225,86.2 144.425,86.2 146.925,83.7 165.317,83.7 166.267,82.75 166.95,82.75 168,83.8 172.433,83.8 172.8,84.167 172.8,84.637 172.95,84.787 v1(172.95,84.846)
  Bottom w0.2: R489.1@129.975,83.7 cw(c129.975,85.605) 128.628,84.258 128.106,84.78 ccw(c127.334,84.008) 127.334,85.1 127,85.1 ccw(c127,84.3) 126.2,84.3 126.2,83.7 ccw(c127.561,83.7) 127.561,82.339 131.564,82.339 ccw(c131.564,84.175) 133.4,84.175 133.4,87.275 ccw(c132.25,87.275) 132.25,88.425 130.175,88.425 v1(130.075,88.325) ; IC67.20@172.95,84.075 v1(172.95,84.846)
CDCM_LMS2_BB_DAC1_REFC_N: IC39.N2 IC67.15 | length 97.7
  Top w0.1: IC39.N2@194.375,62.275 194.775,62.675 195.825,62.675 196.525,63.375
  Top w0.15: v1(175.45,83.304) 175.45,83.372 175.575,83.497 175.575,83.675 175.375,83.875 173.729,83.875 173.375,83.521 173.375,82.946 172.104,81.675 166.475,81.675 165.6,80.8 165.6,78.004 166.53,77.073 184.402,77.073 184.975,76.5 186.35,76.5 186.6,76.75 196.754,76.75 197.375,76.129 197.375,69.975 198.077,69.273 202.395,69.273 202.796,69.675 203.55,69.675 204.171,70.296 208.468,70.296 209.15,70.979 209.15,71.954 209.923,72.727 209.996,72.8 211.904,72.8 211.977,72.727 212.752,71.952 212.825,71.879 212.825,69.675 211.375,68.225 203.25,68.225 202.65,67.625 198.55,67.625 196.725,65.8 196.725,63.575 196.525,63.375
  Bottom w0.2: v1(175.45,83.304) IC67.15@175.45,84.075
CDCM_LMS2_BB_DAC1_REFC_P: IC39.N3 IC67.14 | length 99.2
  Top w0.1: IC39.N3@193.375,62.275 193.809,62.275 194.409,62.875 195.625,62.875 196.35,63.6
  Top w0.15: v1(175.95,83.304) 175.95,83.372 175.825,83.497 175.825,83.779 175.479,84.125 173.625,84.125 173.125,83.625 173.125,83.05 172,81.925 166.371,81.925 165.35,80.904 165.35,77.9 166.427,76.823 184.298,76.823 184.871,76.25 186.454,76.25 186.704,76.5 196.65,76.5 197.125,76.025 197.125,69.871 197.973,69.023 202.498,69.023 202.9,69.425 203.654,69.425 204.275,70.046 208.571,70.046 209.4,70.875 209.4,71.85 210.1,72.55 211.8,72.55 212.575,71.775 212.575,69.779 211.271,68.475 203.146,68.475 202.546,67.875 198.446,67.875 196.475,65.904 196.475,63.725 196.35,63.6
  Bottom w0.2: v1(175.95,83.304) IC67.14@175.95,84.075
CDCM_LMS2_BB_DAC2_CLK_N: IC67.22 R503.1 | length 58.6
  Top w0.2: v1(153.5,101.125) 153.7,100.925 153.975,100.925 154.3,101.25 154.3,101.799 155.226,102.725 158.999,102.725 171.05,90.674 171.05,84.95 171.85,84.15 171.85,83.611 171.912,83.549 171.912,83.342 v1(171.95,83.304)
  Bottom w0.2: R503.1@131.325,105.022 132.422,103.925 132.825,103.925 134.125,105.225 135.95,105.225 137.825,107.1 144.099,107.1 148.899,102.3 152.325,102.3 v1(153.5,101.125) ; v1(171.95,83.304) IC67.22@171.95,84.075
CDCM_LMS2_BB_DAC2_CLK_P: IC67.23 R498.1 | length 58.3
  Top w0.2: v1(153.5,100.425) 153.7,100.625 154.099,100.625 154.6,101.126 154.6,101.675 155.35,102.425 158.875,102.425 170.75,90.55 170.75,84.826 171.55,84.026 171.55,83.611 171.488,83.549 171.488,83.342 v1(171.45,83.304)
  Bottom w0.2: R498.1@131.325,102.528 132.422,103.625 132.949,103.625 134.249,104.925 136.074,104.925 137.949,106.8 143.975,106.8 148.775,102 151.925,102 v1(153.5,100.425) ; v1(171.45,83.304) IC67.23@171.45,84.075